# KiCad board PSEC5_Ctrl_Board.kicad_pcb
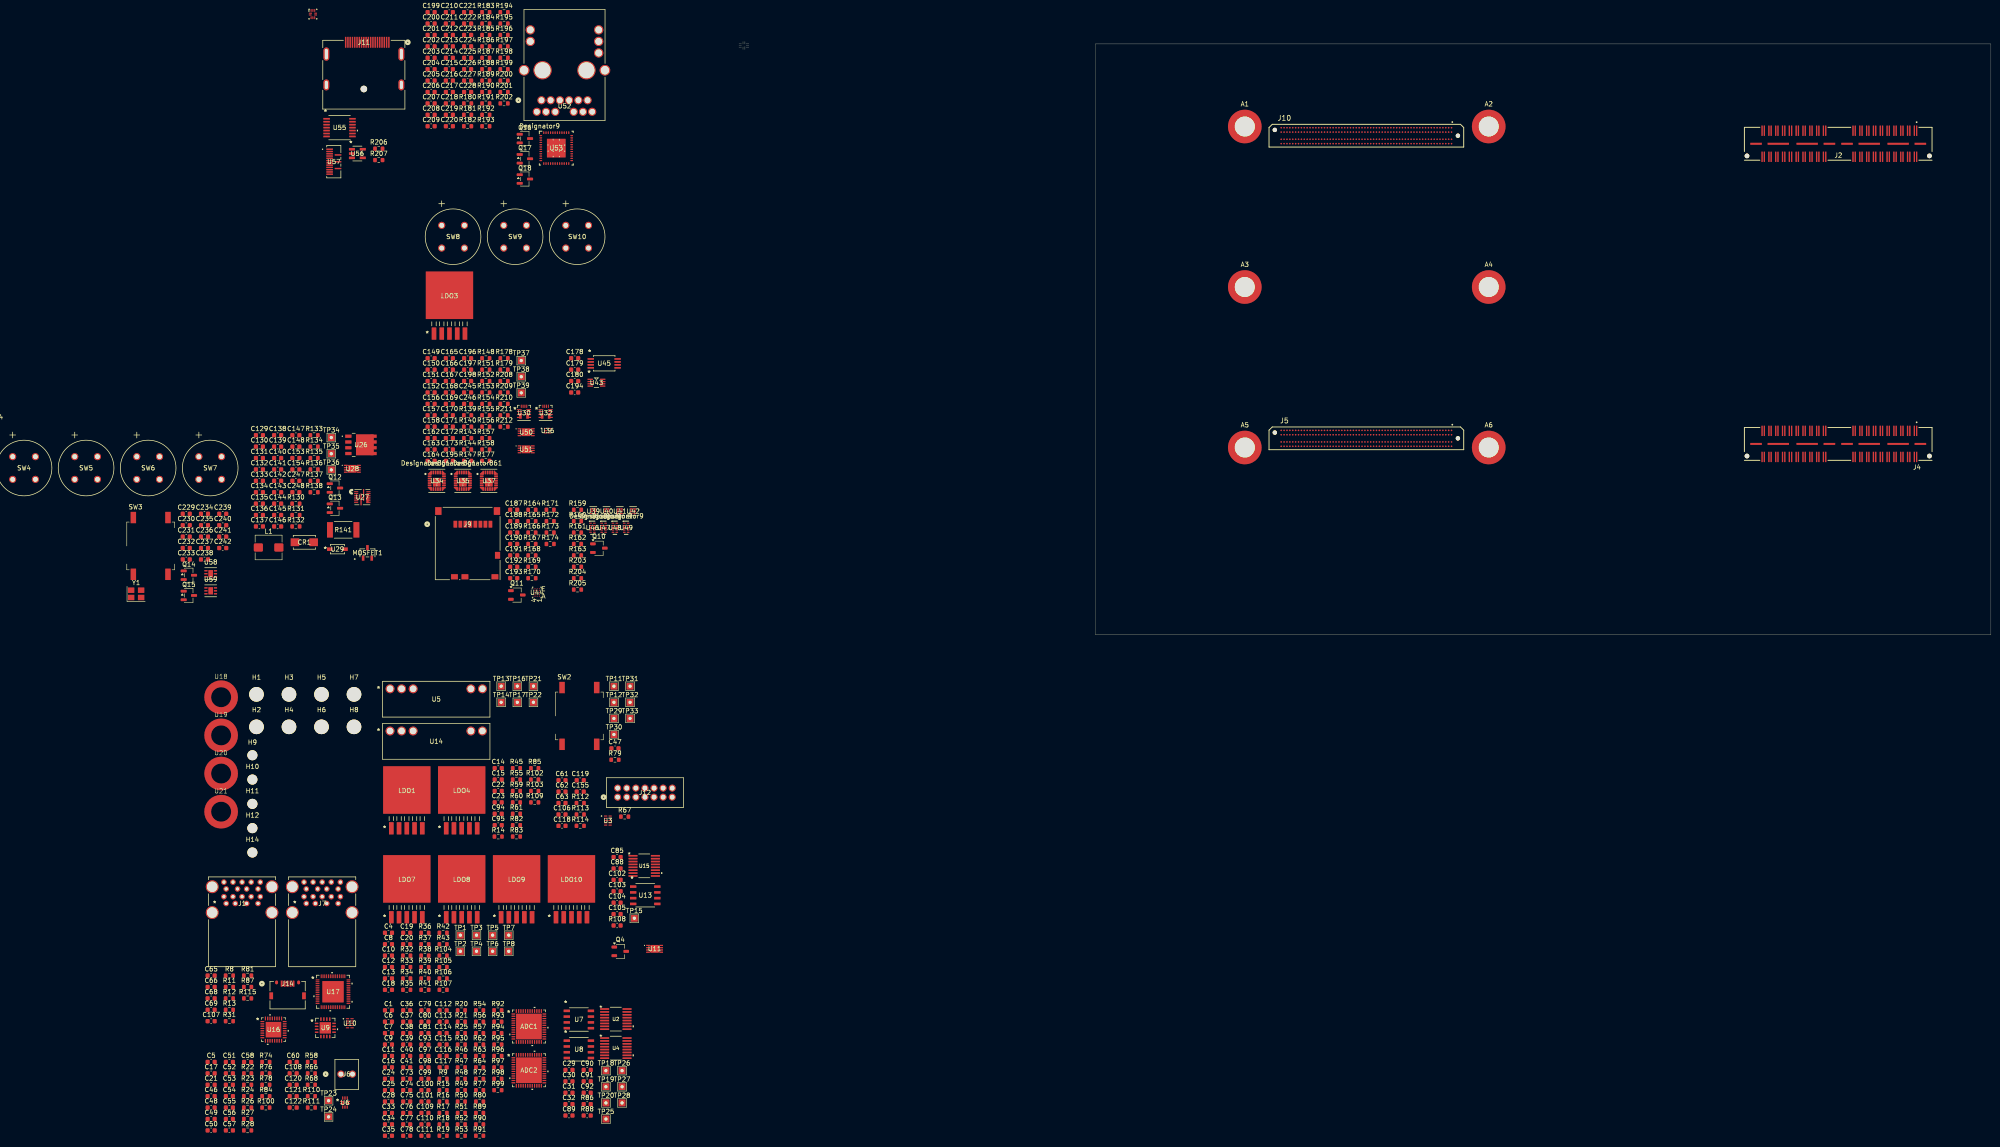
[diagram p0: board, top side]
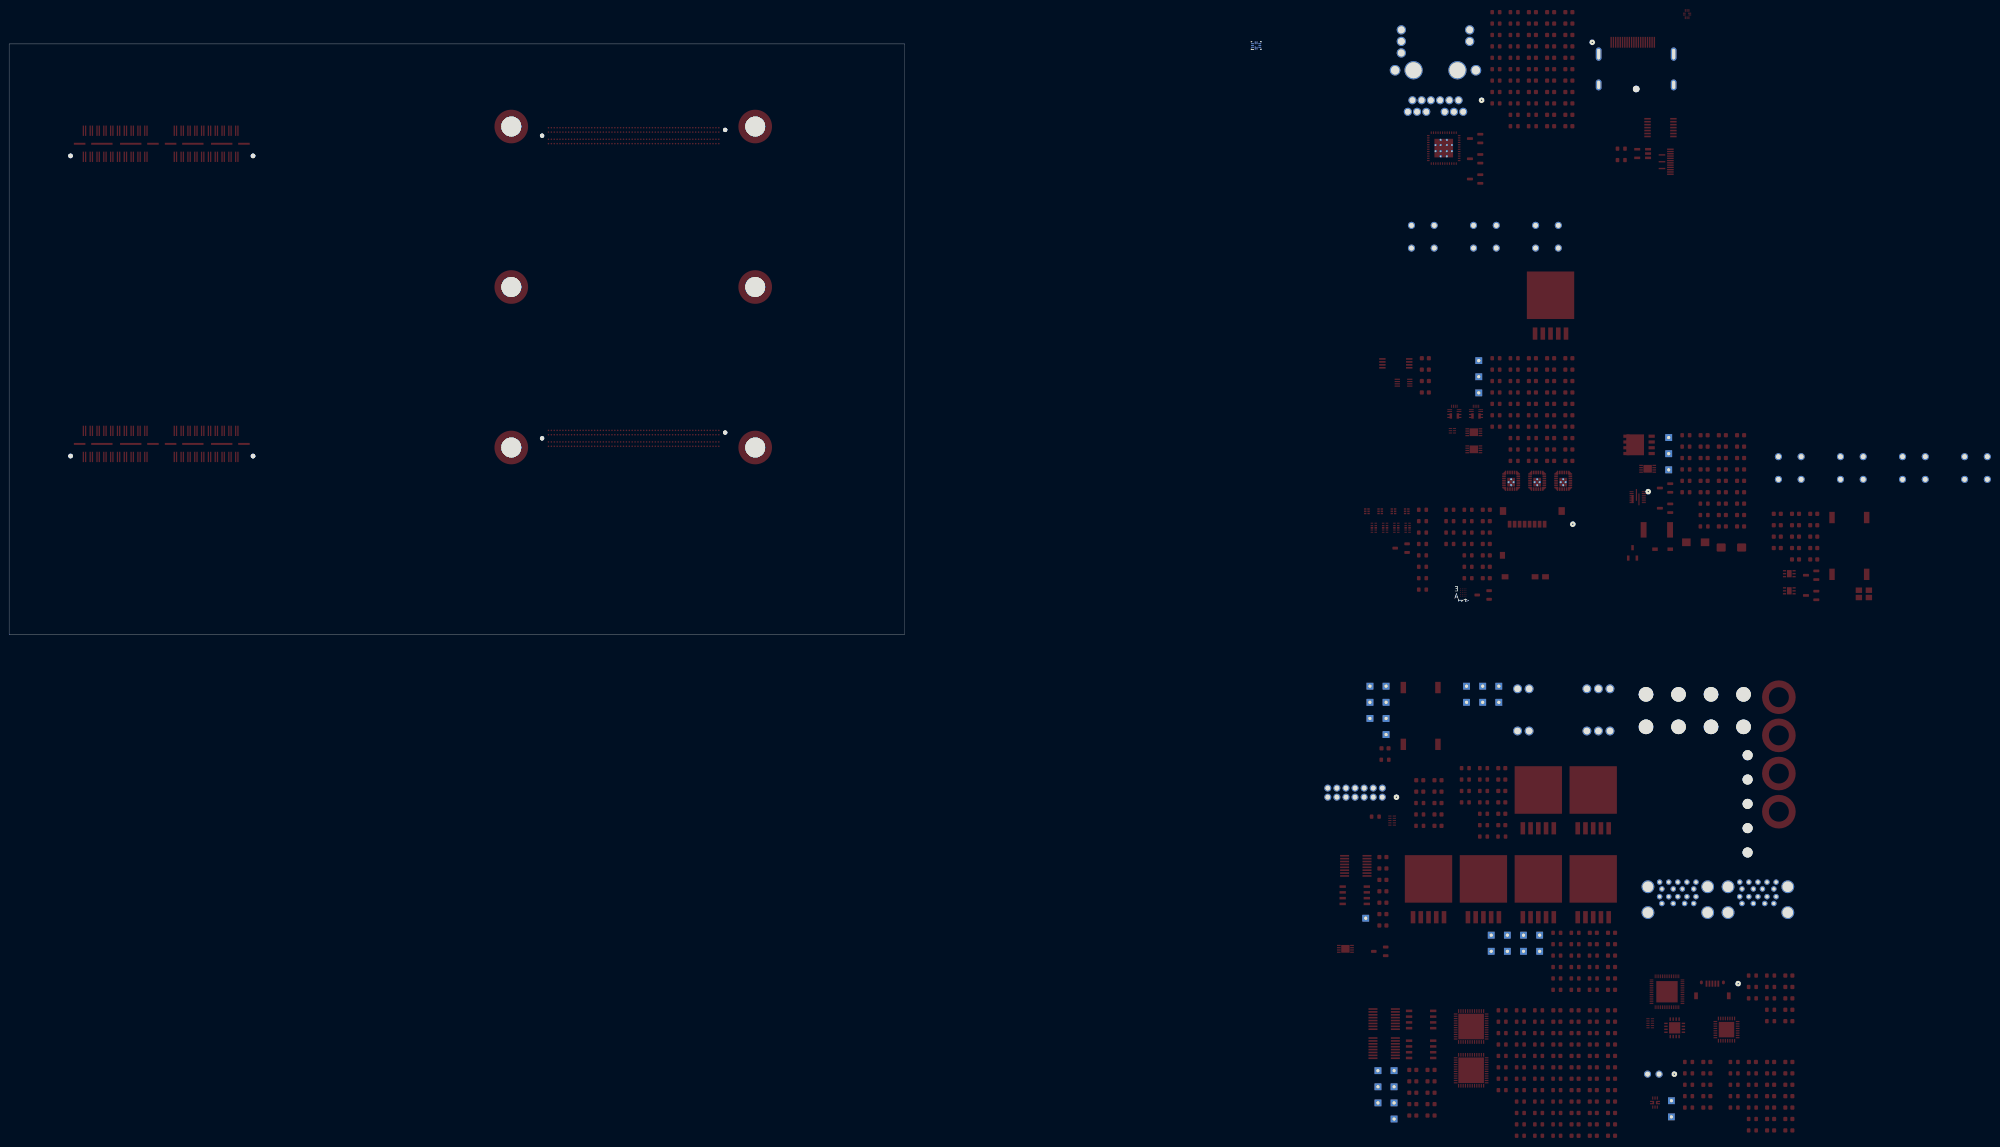
[diagram p1: board, bottom side, seen from below]

Outline 196.98 x 130.02 mm; copper layers: Top, In1.Cu (plane), In2.Cu, In3.Cu (plane), In4.Cu (plane), In5.Cu (plane), In6.Cu (plane), In7.Cu, In8.Cu (plane), Bottom. Coordinates in mm from the lower left corner of the outline.
Outline path: rectangle 0,130.02 196.98,0
Stack: Top 0.0175mm / dielectric 0.0925mm FR4 er 4.5 / In1.Cu 0.035mm / dielectric 0.13mm FR4 er 4.5 / In2.Cu 0.035mm / dielectric 0.196mm FR4 er 4.5 / In3.Cu 0.035mm / dielectric 0.13mm FR4 er 4.5 / In4.Cu 0.035mm / dielectric 0.196mm FR4 er 4.5 / In5.Cu 0.035mm / dielectric 0.13mm FR4 er 4.5 / In6.Cu 0.035mm / dielectric 0.196mm FR4 er 4.5 / In7.Cu 0.035mm / dielectric 0.13mm FR4 er 4.5 / In8.Cu 0.035mm / dielectric 0.0925mm FR4 er 4.5 / Bottom 0.0175mm

## Placement (name value [footprint] x y rotation side)
A1  9774050960R  [A_Wurth_WA-SMST_9774050960R]  32.88 111.84 0 top
A2  9774050960R  [A_Wurth_WA-SMST_9774050960R]  86.53 111.84 0 top
A3  9774050960R  [A_Wurth_WA-SMST_9774050960R]  32.88 76.52 0 top
A4  9774050960R  [A_Wurth_WA-SMST_9774050960R]  86.53 76.52 0 top
A5  9774050960R  [A_Wurth_WA-SMST_9774050960R]  32.88 41.19 0 top
A6  9774050960R  [A_Wurth_WA-SMST_9774050960R]  86.53 41.19 0 top
ADC1  AD9228ABCPZ-65  [CP_48_8_ADI]  -124.59 -86.24 0 top
ADC2  AD9228ABCPZ-65  [CP_48_8_ADI]  -124.59 -95.88 0 top
C1  39p  [C_0603_1608Metric]  -155.47 -82.68 0 top
C4  10u  [C_0603_1608Metric]  -155.47 -65.62 0 top
C5  0.1u  [C_0603_1608Metric]  -194.47 -94.05 0 top
C6  39p  [C_0603_1608Metric]  -155.47 -85.19 0 top
C7  39p  [C_0603_1608Metric]  -155.47 -87.7 0 top
C8  10u  [C_0603_1608Metric]  -155.47 -68.13 0 top
C9  39p  [C_0603_1608Metric]  -155.47 -90.21 0 top
C10  10u  [C_0603_1608Metric]  -155.47 -70.64 0 top
C11  39p  [C_0603_1608Metric]  -155.47 -92.72 0 top
C12  10u  [C_0603_1608Metric]  -155.47 -73.15 0 top
C13  10u  [C_0603_1608Metric]  -155.47 -75.66 0 top
C14  10u  [C_0603_1608Metric]  -131.33 -29.38 0 top
C15  10u  [C_0603_1608Metric]  -131.33 -31.89 0 top
C16  39p  [C_0603_1608Metric]  -155.47 -95.23 0 top
C17  0.1u  [C_0603_1608Metric]  -194.47 -96.56 0 top
C18  10u  [C_0603_1608Metric]  -155.47 -78.17 0 top
C19  10u  [C_0603_1608Metric]  -151.46 -65.62 0 top
C20  10u  [C_0603_1608Metric]  -151.46 -68.13 0 top
C21  0.1u  [C_0603_1608Metric]  -194.47 -99.07 0 top
C22  10u  [C_0603_1608Metric]  -131.33 -34.4 0 top
C23  10u  [C_0603_1608Metric]  -131.33 -36.91 0 top
C24  0.1u  [C_0603_1608Metric]  -155.47 -97.74 0 top
C25  39p  [C_0603_1608Metric]  -155.47 -100.25 0 top
C28  39p  [C_0603_1608Metric]  -155.47 -102.76 0 top
C29  0.1u  [C_0603_1608Metric]  -115.77 -95.8 0 top
C30  1n  [C_0603_1608Metric]  -115.77 -98.31 0 top
C31  0.1u  [C_0603_1608Metric]  -115.77 -100.82 0 top
C32  1n  [C_0603_1608Metric]  -115.77 -103.33 0 top
C33  0.1u  [C_0603_1608Metric]  -155.47 -105.27 0 top
C34  0.1u  [C_0603_1608Metric]  -155.47 -107.78 0 top
C35  2.2u  [C_0603_1608Metric]  -155.47 -110.29 0 top
C36  0.1u  [C_0603_1608Metric]  -151.46 -82.68 0 top
C37  0.1u  [C_0603_1608Metric]  -151.46 -85.19 0 top
C38  0.1u  [C_0603_1608Metric]  -151.46 -87.7 0 top
C39  2.2u  [C_0603_1608Metric]  -151.46 -90.21 0 top
C40  0.1u  [C_0603_1608Metric]  -151.46 -92.72 0 top
C41  0.1u  [C_0603_1608Metric]  -151.46 -95.23 0 top
C46  0.1u  [C_0603_1608Metric]  -194.47 -101.58 0 top
C47  100n  [C_0603_1608Metric]  -105.65 -25.02 0 top
C48  0.1u  [C_0603_1608Metric]  -194.47 -104.09 0 top
C49  0.1u  [C_0603_1608Metric]  -194.47 -106.6 0 top
C50  0.1u  [C_0603_1608Metric]  -194.47 -109.11 0 top
C51  0.1u  [C_0603_1608Metric]  -190.46 -94.05 0 top
C52  47u  [C_0603_1608Metric]  -190.46 -96.56 0 top
C53  0.1u  [C_0603_1608Metric]  -190.46 -99.07 0 top
C54  0.1u  [C_0603_1608Metric]  -190.46 -101.58 0 top
C55  0.1u  [C_0603_1608Metric]  -190.46 -104.09 0 top
C56  0.1u  [C_0603_1608Metric]  -190.46 -106.6 0 top
C57  10p  [C_0603_1608Metric]  -190.46 -109.11 0 top
C58  10p  [C_0603_1608Metric]  -186.45 -94.05 0 top
C60  0.1u  [C_0603_1608Metric]  -176.43 -94.05 0 top
C61  100n  [C_0603_1608Metric]  -117.3 -32.04 0 top
C62  100n  [C_0603_1608Metric]  -117.3 -34.55 0 top
C63  10n  [C_0603_1608Metric]  -117.3 -37.06 0 top
C65  100n  [C_0603_1608Metric]  -194.47 -75.03 0 top
C66  4.7u  [C_0603_1608Metric]  -194.47 -77.54 0 top
C68  4.7u  [C_0603_1608Metric]  -194.47 -80.05 0 top
C69  47p  [C_0603_1608Metric]  -194.47 -82.56 0 top
C73  0.02u  [C_0603_1608Metric]  -151.46 -97.74 0 top
C74  39p  [C_0603_1608Metric]  -151.46 -100.25 0 top
C75  0.1u  [C_0603_1608Metric]  -151.46 -102.76 0 top
C76  39p  [C_0603_1608Metric]  -151.46 -105.27 0 top
C77  39p  [C_0603_1608Metric]  -151.46 -107.78 0 top
C78  0.02u  [C_0603_1608Metric]  -151.46 -110.29 0 top
C79  0.1u  [C_0603_1608Metric]  -147.45 -82.68 0 top
C80  39p  [C_0603_1608Metric]  -147.45 -85.19 0 top
C81  39p  [C_0603_1608Metric]  -147.45 -87.7 0 top
C85  100n  [C_0603_1608Metric]  -105.18 -48.95 0 top
C88  100n  [C_0603_1608Metric]  -105.18 -51.46 0 top
C89  DNP  [C_0603_1608Metric]  -115.77 -105.84 0 top
C90  DNP  [C_0603_1608Metric]  -111.76 -95.8 0 top
C91  0.1u  [C_0603_1608Metric]  -111.76 -98.31 0 top
C92  0.1u  [C_0603_1608Metric]  -111.76 -100.82 0 top
C93  39p  [C_0603_1608Metric]  -147.45 -90.21 0 top
C94  10u  [C_0603_1608Metric]  -131.33 -39.42 0 top
C95  10u  [C_0603_1608Metric]  -131.33 -41.93 0 top
C97  39p  [C_0603_1608Metric]  -147.45 -92.72 0 top
C98  39p  [C_0603_1608Metric]  -147.45 -95.23 0 top
C99  0.1u  [C_0603_1608Metric]  -147.45 -97.74 0 top
C100  0.1u  [C_0603_1608Metric]  -147.45 -100.25 0 top
C101  0.1u  [C_0603_1608Metric]  -147.45 -102.76 0 top
C102  0.1u  [C_0603_1608Metric]  -105.18 -53.97 0 top
C103  1n  [C_0603_1608Metric]  -105.18 -56.48 0 top
C104  0.1u  [C_0603_1608Metric]  -105.18 -58.99 0 top
C105  0.1u  [C_0603_1608Metric]  -105.18 -61.5 0 top
C106  100n  [C_0603_1608Metric]  -117.3 -39.57 0 top
C107  47p  [C_0603_1608Metric]  -194.47 -85.07 0 top
C108  10u  [C_0603_1608Metric]  -176.43 -96.56 0 top
C109  0.1u  [C_0603_1608Metric]  -147.45 -105.27 0 top
C110  0.1u  [C_0603_1608Metric]  -147.45 -107.78 0 top
C111  0.1u  [C_0603_1608Metric]  -147.45 -110.29 0 top
C112  0.1u  [C_0603_1608Metric]  -143.44 -82.68 0 top
C113  0.1u  [C_0603_1608Metric]  -143.44 -85.19 0 top
C114  0.1u  [C_0603_1608Metric]  -143.44 -87.7 0 top
C115  0.1u  [C_0603_1608Metric]  -143.44 -90.21 0 top
C116  1u  [C_0603_1608Metric]  -143.44 -92.72 0 top
C117  1u  [C_0603_1608Metric]  -143.44 -95.23 0 top
C118  100n  [C_0603_1608Metric]  -117.3 -42.08 0 top
C119  0.1u  [C_0603_1608Metric]  -113.29 -32.04 0 top
C120  1u  [C_0603_1608Metric]  -176.43 -99.07 0 top
C121  DNP  [C_0603_1608Metric]  -176.43 -101.58 0 top
C122  39p  [C_0603_1608Metric]  -176.43 -104.09 0 top
C129  10u  [C_0603_1608Metric]  -183.85 43.9 0 top
C130  DNP  [C_0603_1608Metric]  -183.85 41.39 0 top
C131  22u  [C_0603_1608Metric]  -183.85 38.88 0 top
C132  22u  [C_0603_1608Metric]  -183.85 36.37 0 top
C133  0.1u  [C_0603_1608Metric]  -183.85 33.86 0 top
C134  1u  [C_0603_1608Metric]  -183.85 31.35 0 top
C135  0.1u  [C_0603_1608Metric]  -183.85 28.84 0 top
C136  22n  [C_0603_1608Metric]  -183.85 26.33 0 top
C137  DNP  [C_0603_1608Metric]  -183.85 23.82 0 top
C138  56p  [C_0603_1608Metric]  -179.84 43.9 0 top
C139  22u  [C_0603_1608Metric]  -179.84 41.39 0 top
C140  22u  [C_0603_1608Metric]  -179.84 38.88 0 top
C141  22u  [C_0603_1608Metric]  -179.84 36.37 0 top
C142  22u  [C_0603_1608Metric]  -179.84 33.86 0 top
C143  10u  [C_0603_1608Metric]  -179.84 31.35 0 top
C144  1000p  [C_0603_1608Metric]  -179.84 28.84 0 top
C145  10u  [C_0603_1608Metric]  -179.84 26.33 0 top
C146  DNP  [C_0603_1608Metric]  -179.84 23.82 0 top
C147  DNP  [C_0603_1608Metric]  -175.83 43.9 0 top
C148  1u  [C_0603_1608Metric]  -175.83 41.39 0 top
C149  22u  [C_0603_1608Metric]  -146.08 60.84 0 top
C150  22u  [C_0603_1608Metric]  -146.08 58.33 0 top
C151  22u  [C_0603_1608Metric]  -146.08 55.82 0 top
C152  10u  [C_0603_1608Metric]  -146.08 53.31 0 top
C153  47u  [C_0603_1608Metric]  -175.83 38.88 0 top
C154  47u  [C_0603_1608Metric]  -175.83 36.37 0 top
C155  1u  [C_0603_1608Metric]  -113.29 -34.55 0 top
C156  22u  [C_0603_1608Metric]  -146.08 50.8 0 top
C157  22u  [C_0603_1608Metric]  -146.08 48.29 0 top
C158  22u  [C_0603_1608Metric]  -146.08 45.78 0 top
C162  22u  [C_0603_1608Metric]  -146.08 43.27 0 top
C163  22u  [C_0603_1608Metric]  -146.08 40.76 0 top
C164  22u  [C_0603_1608Metric]  -146.08 38.25 0 top
C165  22u  [C_0603_1608Metric]  -142.07 60.84 0 top
C166  22u  [C_0603_1608Metric]  -142.07 58.33 0 top
C167  22u  [C_0603_1608Metric]  -142.07 55.82 0 top
C168  10u  [C_0603_1608Metric]  -142.07 53.31 0 top
C169  1000p  [C_0603_1608Metric]  -142.07 50.8 0 top
C170  10u  [C_0603_1608Metric]  -142.07 48.29 0 top
C171  22u  [C_0603_1608Metric]  -142.07 45.78 0 top
C172  22u  [C_0603_1608Metric]  -142.07 43.27 0 top
C173  22u  [C_0603_1608Metric]  -142.07 40.76 0 top
C178  0.1u  [C_0603_1608Metric]  -114.51 60.84 0 top
C179  0.1u  [C_0603_1608Metric]  -114.51 58.33 0 top
C180  100p  [C_0603_1608Metric]  -114.51 55.82 0 top
C187  2.2u  [C_0603_1608Metric]  -127.92 27.49 0 top
C188  10u  [C_0603_1608Metric]  -127.92 24.98 0 top
C189  0.1u  [C_0603_1608Metric]  -127.92 22.47 0 top
C190  0.47u  [C_0603_1608Metric]  -127.92 19.96 0 top
C191  0.47u  [C_0603_1608Metric]  -127.92 17.45 0 top
C192  0.1u  [C_0603_1608Metric]  -127.92 14.94 0 top
C193  0.1u  [C_0603_1608Metric]  -127.92 12.43 0 top
C194  100p  [C_0603_1608Metric]  -114.51 53.31 0 top
C195  10u  [C_0603_1608Metric]  -142.07 38.25 0 top
C196  1000p  [C_0603_1608Metric]  -138.06 60.84 0 top
C197  10u  [C_0603_1608Metric]  -138.06 58.33 0 top
C198  0.1u  [C_0603_1608Metric]  -138.06 55.82 0 top
C199  0.1u  [C_0603_1608Metric]  -146.08 137.01 0 top
C200  0.1u  [C_0603_1608Metric]  -146.08 134.5 0 top
C201  0.1u  [C_0603_1608Metric]  -146.08 131.99 0 top
C202  0.01u  [C_0603_1608Metric]  -146.08 129.48 0 top
C203  1u  [C_0603_1608Metric]  -146.08 126.97 0 top
C204  1u  [C_0603_1608Metric]  -146.08 124.46 0 top
C205  1u  [C_0603_1608Metric]  -146.08 121.95 0 top
C206  10u  [C_0603_1608Metric]  -146.08 119.44 0 top
C207  0.1u  [C_0603_1608Metric]  -146.08 116.93 0 top
C208  0.1u  [C_0603_1608Metric]  -146.08 114.42 0 top
C209  1u  [C_0603_1608Metric]  -146.08 111.91 0 top
C210  1u  [C_0603_1608Metric]  -142.07 137.01 0 top
C211  10u  [C_0603_1608Metric]  -142.07 134.5 0 top
C212  0.01u  [C_0603_1608Metric]  -142.07 131.99 0 top
C213  0.1u  [C_0603_1608Metric]  -142.07 129.48 0 top
C214  0.1u  [C_0603_1608Metric]  -142.07 126.97 0 top
C215  0.1u  [C_0603_1608Metric]  -142.07 124.46 0 top
C216  0.1u  [C_0603_1608Metric]  -142.07 121.95 0 top
C217  1u  [C_0603_1608Metric]  -142.07 119.44 0 top
C218  1u  [C_0603_1608Metric]  -142.07 116.93 0 top
C219  1u  [C_0603_1608Metric]  -142.07 114.42 0 top
C220  1u  [C_0603_1608Metric]  -142.07 111.91 0 top
C221  0.01u  [C_0603_1608Metric]  -138.06 137.01 0 top
C222  10u  [C_0603_1608Metric]  -138.06 134.5 0 top
C223  27p  [C_0603_1608Metric]  -138.06 131.99 0 top
C224  27p  [C_0603_1608Metric]  -138.06 129.48 0 top
C225  0.1u  [C_0603_1608Metric]  -138.06 126.97 0 top
C226  0.1u  [C_0603_1608Metric]  -138.06 124.46 0 top
C227  0.1u  [C_0603_1608Metric]  -138.06 121.95 0 top
C228  0.1u  [C_0603_1608Metric]  -138.06 119.44 0 top
C229  1u  [C_0603_1608Metric]  -199.94 26.6 0 top
C230  0.1u  [C_0603_1608Metric]  -199.94 24.09 0 top
C231  1u  [C_0603_1608Metric]  -199.94 21.58 0 top
C232  0.1u  [C_0603_1608Metric]  -199.94 19.07 0 top
C233  1u  [C_0603_1608Metric]  -199.94 16.56 0 top
C234  0.1u  [C_0603_1608Metric]  -195.93 26.6 0 top
C235  1u  [C_0603_1608Metric]  -195.93 24.09 0 top
C236  0.1u  [C_0603_1608Metric]  -195.93 21.58 0 top
C237  1u  [C_0603_1608Metric]  -195.93 19.07 0 top
C238  0.1u  [C_0603_1608Metric]  -195.93 16.56 0 top
C239  1u  [C_0603_1608Metric]  -191.92 26.6 0 top
C240  0.1u  [C_0603_1608Metric]  -191.92 24.09 0 top
C241  1u  [C_0603_1608Metric]  -191.92 21.58 0 top
C242  0.1u  [C_0603_1608Metric]  -191.92 19.07 0 top
C245  1000p  [C_0603_1608Metric]  -138.06 53.31 0 top
C246  10u  [C_0603_1608Metric]  -138.06 50.8 0 top
C247  1u  [C_0603_1608Metric]  -175.83 33.86 0 top
C248  0.1u  [C_0603_1608Metric]  -175.83 31.35 0 top
CR1  SMAJ16A  [DO214AC_LTF]  -173.98 20.34 0 top  (not fitted)
H1  MountingHole  [MountingHole_3.2mm_M3_DIN965]  -184.5 -13.14 0 top
H2  MountingHole  [MountingHole_3.2mm_M3_DIN965]  -184.5 -20.29 0 top
H3  MountingHole  [MountingHole_3.2mm_M3_DIN965]  -177.35 -13.14 0 top
H4  MountingHole  [MountingHole_3.2mm_M3_DIN965]  -177.35 -20.29 0 top
H5  MountingHole  [MountingHole_3.2mm_M3_DIN965]  -170.2 -13.14 0 top
H6  MountingHole  [MountingHole_3.2mm_M3_DIN965]  -170.2 -20.29 0 top
H7  MountingHole  [MountingHole_3.2mm_M3_DIN965]  -163.05 -13.14 0 top
H8  MountingHole  [MountingHole_3.2mm_M3_DIN965]  -163.05 -20.29 0 top
H9  MountingHole  [MountingHole_2.2mm_M2_DIN965]  -185.4 -26.54 0 top
H10  MountingHole  [MountingHole_2.2mm_M2_DIN965]  -185.4 -31.89 0 top
H11  MountingHole  [MountingHole_2.2mm_M2_DIN965]  -185.4 -37.24 0 top
H12  MountingHole  [MountingHole_2.2mm_M2_DIN965]  -185.4 -42.59 0 top
H14  MountingHole  [MountingHole_2.2mm_M2_DIN965]  -185.4 -47.94 0 top
J1  GSB311231HR  [GSB311231HR_AMP]  -191.17 -59.17 0 top
J2  QSH-040-01-X-D-DP-A  [SAMTEC_QSH-040-01-X-D-DP-A]  163.4 108.05 180 top
J4  QSH-040-01-X-D-DP-A  [SAMTEC_QSH-040-01-X-D-DP-A]  163.4 41.99 180 top
J5  ADM6-60-01.5-L-4-2-A-TR (1)  [SAMTEC_ADM6-60-01.5-L-4-2-A-TR]  59.62 43.21 0 top
J6  22112022  [CONN_A-6373-02A_MOL]  -165.93 -96.73 0 top
J7  GSB311231HR  [GSB311231HR_AMP]  -173.55 -59.17 0 top
J9  5025700893  [502570-0893_MOL]  -138.05 20.06 0 top
J10  ADM6-60-01.5-L-4-2-A-TR  [SAMTEC_ADM6-60-01.5-L-4-2-A-TR]  59.62 109.82 0 top
J11  472720001  [CONN_47272-0001_MOL]  -160.89 137.51 0 top
J12  878311420  [CONN_87831-1420_MOL]  -105.06 -35.76 0 top
J14  ZX62D-B-5P830  [ZX62D-B-5P830_HIR]  -177.66 -79.34 0 top
L1  1.2u  [L_Bourns_SRP5030T]  -181.83 19.19 0 top
LDO1  LP38501TS-ADJ/NOPB  [TS5B]  -151.44 -34.34 0 top
LDO3  LP38501TS-ADJ/NOPB  [TS5B]  -142.05 74.55 0 top
LDO4  LP38501TS-ADJ/NOPB  [TS5B]  -139.36 -34.34 0 top
LDO7  LP38501TS-ADJ/NOPB  [TS5B]  -151.44 -53.91 0 top
LDO8  LP38501TS-ADJ/NOPB  [TS5B]  -139.36 -53.91 0 top
LDO9  LP38501TS-ADJ/NOPB  [TS5B]  -127.29 -53.91 0 top
LDO10  LP38501TS-ADJ/NOPB  [TS5B]  -115.21 -53.91 0 top
MOSFET1  NDS331N  [SOT23_527AG_ONS]  -160.09 18 0 top  (not fitted)
Q4  DMN2310U-7  [TSOT-23]  -104.49 -69.7 0 top
Q10  DMN2310U-7  [TSOT-23]  -109.19 19.04 0 top
Q11  DMN2310U-7  [TSOT-23]  -127.23 8.73 0 top
Q12  BSS806NEH6327XTSA1  [SOT-23-3]  -167.24 32.28 0 top
Q13  BSS806NEH6327XTSA1  [SOT-23-3]  -167.24 27.83 0 top
Q14  BSS806NEH6327XTSA1  [SOT-23-3]  -199.37 13.08 0 top
Q15  BSS806NEH6327XTSA1  [SOT-23-3]  -199.37 8.63 0 top
Q16  BSS806NEH6327XTSA1  [SOT-23-3]  -125.46 109.19 0 top
Q17  BSS806NEH6327XTSA1  [SOT-23-3]  -125.46 104.74 0 top
Q18  BSS806NEH6327XTSA1  [SOT-23-3]  -125.46 100.29 0 top
R8  0R  [R_0603_1608Metric]  -190.46 -75.03 0 top
R9  33.2R  [R_0603_1608Metric]  -143.44 -97.74 0 top
R11  12k  [R_0603_1608Metric]  -190.46 -77.54 0 top
R12  200k  [R_0603_1608Metric]  -190.46 -80.05 0 top
R13  200k  [R_0603_1608Metric]  -190.46 -82.56 0 top
R14  10k  [R_0603_1608Metric]  -131.33 -44.44 0 top
R15  33.2R  [R_0603_1608Metric]  -143.44 -100.25 0 top
R16  33.2R  [R_0603_1608Metric]  -143.44 -102.76 0 top
R17  33.2R  [R_0603_1608Metric]  -143.44 -105.27 0 top
R18  4.99k  [R_0603_1608Metric]  -143.44 -107.78 0 top
R19  4.99k  [R_0603_1608Metric]  -143.44 -110.29 0 top
R20  4.99k  [R_0603_1608Metric]  -139.43 -82.68 0 top
R21  4.99k  [R_0603_1608Metric]  -139.43 -85.19 0 top
R22  49.9R  [R_0603_1608Metric]  -186.45 -96.56 0 top
R23  49.9R  [R_0603_1608Metric]  -186.45 -99.07 0 top
R24  1.5k  [R_0603_1608Metric]  -186.45 -101.58 0 top
R25  33.2R  [R_0603_1608Metric]  -139.43 -87.7 0 top
R26  2.49k  [R_0603_1608Metric]  -186.45 -104.09 0 top
R27  10R  [R_0603_1608Metric]  -186.45 -106.6 0 top
R28  100k  [R_0603_1608Metric]  -186.45 -109.11 0 top
R30  33.2R  [R_0603_1608Metric]  -139.43 -90.21 0 top
R31  27R  [R_0603_1608Metric]  -190.46 -85.07 0 top
R32  10k  [R_0603_1608Metric]  -151.46 -70.64 0 top
R33  10k  [R_0603_1608Metric]  -151.46 -73.15 0 top
R34  34k  [R_0603_1608Metric]  -151.46 -75.66 0 top
R35  10k  [R_0603_1608Metric]  -151.46 -78.17 0 top
R36  10k  [R_0603_1608Metric]  -147.45 -65.62 0 top
R37  20k  [R_0603_1608Metric]  -147.45 -68.13 0 top
R38  10k  [R_0603_1608Metric]  -147.45 -70.64 0 top
R39  14.7k  [R_0603_1608Metric]  -147.45 -73.15 0 top
R40  10k  [R_0603_1608Metric]  -147.45 -75.66 0 top
R41  10k  [R_0603_1608Metric]  -147.45 -78.17 0 top
R42  6.8k  [R_0603_1608Metric]  -143.44 -65.62 0 top
R43  10k  [R_0603_1608Metric]  -143.44 -68.13 0 top
R45  20k  [R_0603_1608Metric]  -127.32 -29.38 0 top
R46  33.2R  [R_0603_1608Metric]  -139.43 -92.72 0 top
R47  33.2R  [R_0603_1608Metric]  -139.43 -95.23 0 top
R48  33.2R  [R_0603_1608Metric]  -139.43 -97.74 0 top
R49  33.2R  [R_0603_1608Metric]  -139.43 -100.25 0 top
R50  33.2R  [R_0603_1608Metric]  -139.43 -102.76 0 top
R51  33.2R  [R_0603_1608Metric]  -139.43 -105.27 0 top
R52  33.2R  [R_0603_1608Metric]  -139.43 -107.78 0 top
R53  33.2R  [R_0603_1608Metric]  -139.43 -110.29 0 top
R54  33.2R  [R_0603_1608Metric]  -135.42 -82.68 0 top
R55  11.3k  [R_0603_1608Metric]  -127.32 -31.89 0 top
R56  10k  [R_0603_1608Metric]  -135.42 -85.19 0 top
R57  10k  [R_0603_1608Metric]  -135.42 -87.7 0 top
R58  300k  [R_0603_1608Metric]  -172.42 -94.05 0 top
R59  10k  [R_0603_1608Metric]  -127.32 -34.4 0 top
R60  14.7k  [R_0603_1608Metric]  -127.32 -36.91 0 top
R61  10k  [R_0603_1608Metric]  -127.32 -39.42 0 top
R62  10R  [R_0603_1608Metric]  -135.42 -90.21 0 top
R63  10R  [R_0603_1608Metric]  -135.42 -92.72 0 top
R64  10R  [R_0603_1608Metric]  -135.42 -95.23 0 top
R66  274k  [R_0603_1608Metric]  -172.42 -96.56 0 top
R67  0R  [R_0603_1608Metric]  -103.52 -40.05 0 top
R68  422R  [R_0603_1608Metric]  -172.42 -99.07 0 top
R72  33.2R  [R_0603_1608Metric]  -135.42 -97.74 0 top
R74  10k  [R_0603_1608Metric]  -182.44 -94.05 0 top
R76  10k  [R_0603_1608Metric]  -182.44 -96.56 0 top
R77  10R  [R_0603_1608Metric]  -135.42 -100.25 0 top
R78  100k  [R_0603_1608Metric]  -182.44 -99.07 0 top
R79  10k  [R_0603_1608Metric]  -105.65 -27.53 0 top
R80  10R  [R_0603_1608Metric]  -135.42 -102.76 0 top
R81  10k  [R_0603_1608Metric]  -186.45 -75.03 0 top
R82  4.99k  [R_0603_1608Metric]  -127.32 -41.93 0 top
R83  10k  [R_0603_1608Metric]  -127.32 -44.44 0 top
R84  100k  [R_0603_1608Metric]  -182.44 -101.58 0 top
R85  10k  [R_0603_1608Metric]  -123.31 -29.38 0 top
R86  4.99k  [C_0603_1608Metric]  -111.76 -103.33 0 top
R87  27R  [R_0603_1608Metric]  -186.45 -77.54 0 top
R88  4.99k  [C_0603_1608Metric]  -111.76 -105.84 0 top
R89  10R  [R_0603_1608Metric]  -135.42 -105.27 0 top
R90  10R  [R_0603_1608Metric]  -135.42 -107.78 0 top
R91  10R  [R_0603_1608Metric]  -135.42 -110.29 0 top
R92  10R  [R_0603_1608Metric]  -131.41 -82.68 0 top
R93  10R  [R_0603_1608Metric]  -131.41 -85.19 0 top
R94  10R  [R_0603_1608Metric]  -131.41 -87.7 0 top
R95  10R  [R_0603_1608Metric]  -131.41 -90.21 0 top
R96  10R  [R_0603_1608Metric]  -131.41 -92.72 0 top
R97  10R  [R_0603_1608Metric]  -131.41 -95.23 0 top
R98  10R  [R_0603_1608Metric]  -131.41 -97.74 0 top
R99  10R  [R_0603_1608Metric]  -131.41 -100.25 0 top
R100  0R  [R_0603_1608Metric]  -182.44 -104.09 0 top
R102  34k  [R_0603_1608Metric]  -123.31 -31.89 0 top
R103  10.5k  [R_0603_1608Metric]  -123.31 -34.4 0 top
R104  10.5k  [R_0603_1608Metric]  -143.44 -70.64 0 top
R105  11.3k  [R_0603_1608Metric]  -143.44 -73.15 0 top
R106  3.01k  [R_0603_1608Metric]  -143.44 -75.66 0 top
R107  4.99k  [R_0603_1608Metric]  -143.44 -78.17 0 top
R108  4.99k  [C_0603_1608Metric]  -105.18 -64.01 0 top
R109  10k  [R_0603_1608Metric]  -123.31 -36.91 0 top
R110  100k  [R_0603_1608Metric]  -172.42 -101.58 0 top
R111  100k  [R_0603_1608Metric]  -172.42 -104.09 0 top
R112  10k  [R_0603_1608Metric]  -113.29 -37.06 0 top
R113  4.7k  [R_0603_1608Metric]  -113.29 -39.57 0 top
R114  4.7k  [R_0603_1608Metric]  -113.29 -42.08 0 top
R115  DNP  [R_0603_1608Metric]  -186.45 -80.05 0 top
R130  0R  [R_0603_1608Metric]  -175.83 28.84 0 top
R131  DNP  [R_0603_1608Metric]  -175.83 26.33 0 top
R132  1k  [R_0603_1608Metric]  -175.83 23.82 0 top
R133  20k  [R_0603_1608Metric]  -171.82 43.9 0 top
R134  2.7k  [R_0603_1608Metric]  -171.82 41.39 0 top
R135  56.2k  [R_0603_1608Metric]  -171.82 38.88 0 top
R136  10k  [R_0603_1608Metric]  -171.82 36.37 0 top
R137  10k  [R_0603_1608Metric]  -171.82 33.86 0 top
R138  10k  [R_0603_1608Metric]  -171.82 31.35 0 top
R139  40.2k  [R_0603_1608Metric]  -138.06 48.29 0 top
R140  40.2k  [R_0603_1608Metric]  -138.06 45.78 0 top
R141  0R  [RES_HCJ2512_STP]  -165.43 23.07 0 top
R143  80k  [R_0603_1608Metric]  -138.06 43.27 0 top
R144  25k  [R_0603_1608Metric]  -138.06 40.76 0 top
R147  100k  [R_0603_1608Metric]  -138.06 38.25 0 top
R148  100k  [R_0603_1608Metric]  -134.05 60.84 0 top
R151  100k  [R_0603_1608Metric]  -134.05 58.33 0 top
R152  49.9k  [R_0603_1608Metric]  -134.05 55.82 0 top
R153  10k  [R_0603_1608Metric]  -134.05 53.31 0 top
R154  10k  [R_0603_1608Metric]  -134.05 50.8 0 top
R155  40.2k  [R_0603_1608Metric]  -134.05 48.29 0 top